# KiCad board 100p-keebored.kicad_pcb (continued)
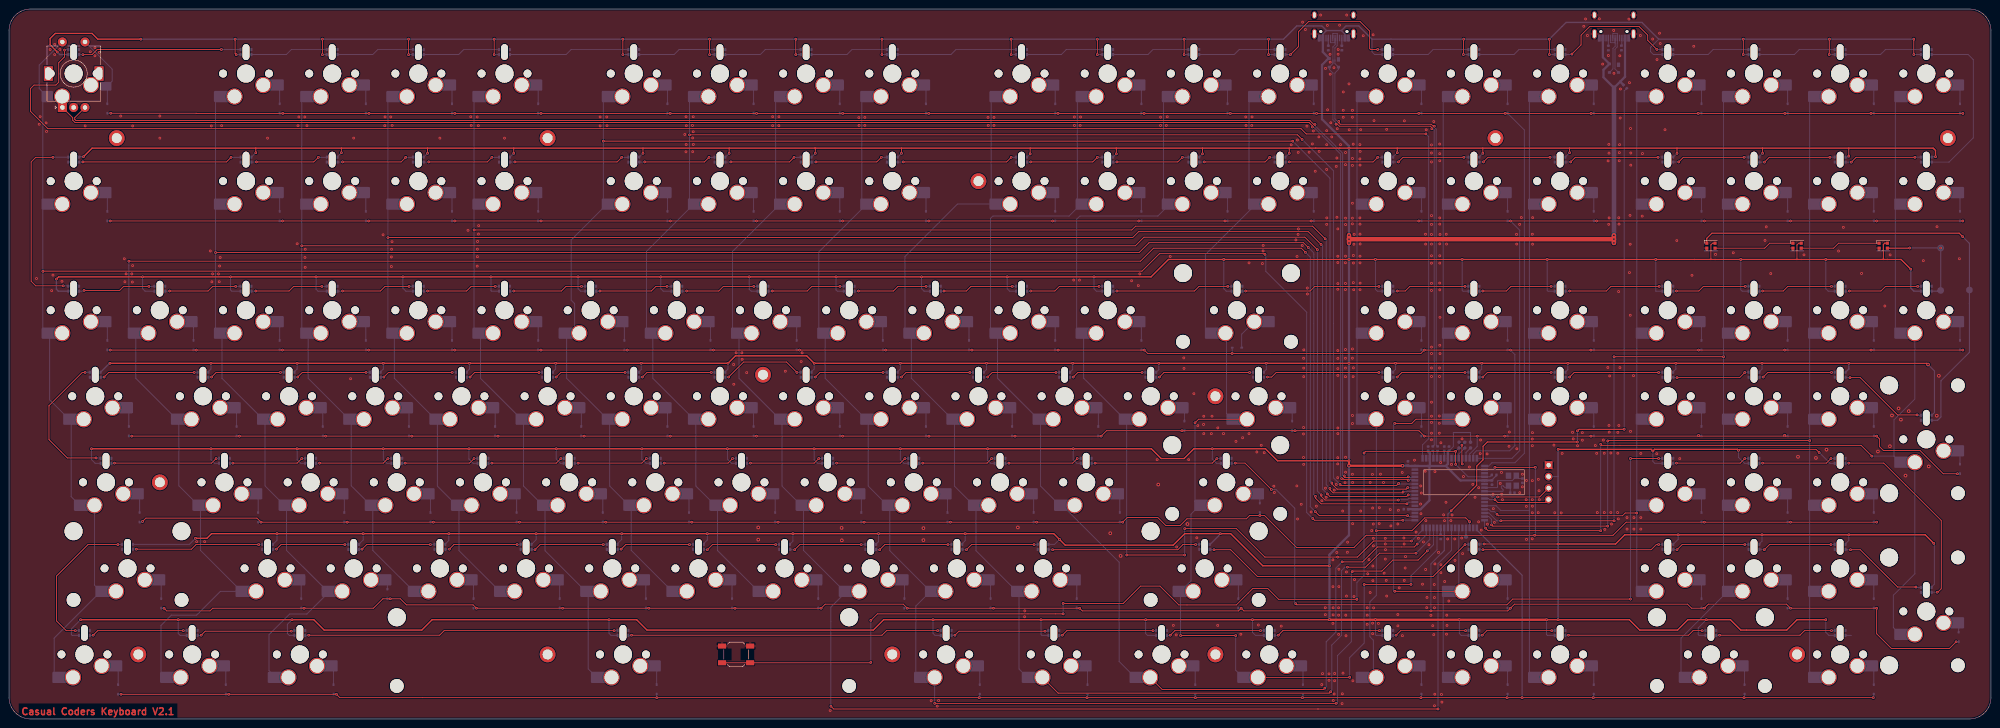
[diagram p0: board, top side]
## Routing (per net, layer and track width the routed paths; a pad name or vN(x,y) marks a point on that pad's centre or on a via; arc(x,y) is an arc through that point) (continued)
/LEDs/LED_BK: length 104
  Top w0.25: U4.1 375.32,106.4 376.47,107.54 431.13,107.54 v1(431.91,106.76)
  Bottom w0.25: 424.97,66.13 426.36,66.13 427.09,66.85 427.09,74.85 433.39,81.15 433.39,105.28 v1(431.91,106.76)
/LEDs/LED_BR: length 23
  Top w0.25: U2.3 420.14,104.22 v1(420.18,104.27) ; v1(427.04,104.27) 427,104.22
  Bottom w0.25: v1(420.18,104.27) v1(427.04,104.27) 427.04,95.43 426.31,94.7 D262.2
/xtal+: length 9.1
  Bottom w0.2: C2.2 331.87,51.29 Y1.3 331.1,51.25 arc(330.88,51.17) 330.67,51.25 330.39,51.54 arc(330.18,51.63) 329.96,51.54 arc(329.88,51.33) 329.96,51.11 330.25,50.83 arc(330.33,50.62) 330.25,50.41 U1.24 ; 331.4,51.85 331.4,51.75
/xtal-: length 10.6
  Bottom w0.2: C1.2 333.82,53.24 Y1.1 333.2,53.66 332.3,52.76 329.17,52.76 329.07,52.65 329.07,51.33 328.94,51.21 U1.23
A+: length 11.1
  Bottom w0.189: J3.A6 354.56,151.7 354.61,151.76 355.5,151.76 355.56,151.7 J3.B6 355.56,149.65 355.53,149.62 355.53,148.75 355.03,148.25 355.03,143.91 D130.2
A-: length 11.1
  Bottom w0.189: D130.3 354.59,143.91 354.59,148.43 355.09,148.93 355.09,149.62 355.06,149.65 J3.A7 355.06,149.77 355,149.72 354.11,149.72 354.06,149.77 J3.B7
Col1: length 515.5
  Top w0.2: v1(308.14,43.99) 288.61,43.99 v1(288.23,44.37) ; v1(277.66,102.84) 277.51,103 254.32,103 250.46,99.14 7.53,99.14 v1(7.48,99.09)
  Bottom w0.2: SW117.2 11.05,9.21 9.97,10.29 9.97,17.91 20.32,28.26 SW100.2 20.26,28.26 18.89,29.63 SW84.2 ; SW84.2 15.65,47.31 13.73,49.22 SW63.2 13.27,66.36 8.97,70.66 SW42.2 8.21,85.41 7.48,86.14 7.48,99.08 v1(7.48,99.09) 7.48,113.96 7.5,113.98 SW22.2 7.76,113.98 7.48,114.26 7.48,136.83 SW1.2 6.67,139.57 6.67,144.75 SW130.S2 ; U1.49 308.15,44.01 v1(308.14,43.99) ; v1(277.66,102.84) 277.84,102.67 277.84,99.09 286.88,90.04 286.88,45.72 v1(288.23,44.37)
Col2: length 461.2
  Top w0.2: v1(288.79,45.9) 289.67,45.01 v1(309.18,45.01) ; v1(286.6,103.3) 285.69,104.22 253.02,104.22 250.15,101.35 v1(26.49,101.35)
  Bottom w0.2: v1(26.49,101.35) 26.49,86.32 27.4,85.41 SW43.2 28.02,75.42 37.08,66.36 SW64.2 37.54,51.61 41.84,47.31 SW85.2 42.3,37.32 51.37,28.26 SW101.2 46.74,28.26 41.47,22.99 35.88,22.99 33.59,20.7 33.59,10.03 34.42,9.21 SW118.2 ; v1(309.18,45.01) 309.38,44.81 U1.50 ; v1(288.79,45.9) 287.67,47.02 287.67,102.23 v1(286.6,103.3)
Col3: length 472.8
  Top w0.2: v1(45.66,103.25) 249.85,103.25 252.03,105.44 286.17,105.44 v1(287.24,104.37) ; v1(288.81,49.3) 288.81,48.88 290.07,47.62 v1(309.05,47.62)
  Bottom w0.2: v1(287.24,104.37) 288.46,103.15 288.46,49.66 v1(288.81,49.3) ; v1(309.05,47.62) 309.44,48.01 U1.54 ; SW119.2 57.47,10.71 57.47,18.67 62.03,23.23 65.86,23.23 SW102.2 70.42,28.26 61.35,37.32 SW86.2 60.89,47.31 56.59,51.61 SW65.2 56.13,66.36 47.07,75.42 SW44.2 46.74,85.41 45.66,86.49 v1(45.66,103.25) 45.66,112.99 46.65,113.98 SW23.2 46.61,113.98 45.66,114.93 45.66,136.91 46.55,137.79 SW3.2
Col4: length 425.8
  Top w0.2: v1(64.71,104.75) 249,104.75 250.9,106.65 286.47,106.65 v1(289.24,103.89) 289.14,103.99 ; v1(290.08,49.61) 290.08,49.32 290.93,48.46 v1(307.15,48.46)
  Bottom w0.2: SW24.2 65.79,113.98 ; 65.79,113.98 64.71,115.06 64.71,136.78 65.72,137.79 SW4.2 ; 65.79,113.98 64.71,112.9 v1(64.71,104.75) 64.71,86.49 65.79,85.41 SW45.2 66.12,75.42 75.18,66.36 SW66.2 75.64,51.61 79.95,47.31 SW87.2 80.41,37.32 89.47,28.26 SW103.2 ; v1(290.08,49.61) 289.24,50.44 v1(289.24,103.89) ; v1(307.15,48.46) 307.23,48.54 309.18,48.54 309.45,48.81 U1.55
Col5: length 407.4
  Top w0.2: v1(291.43,49.83) 292.01,49.25 308.98,49.25 v1(309.33,49.61) ; v1(83.76,106.58) 248.4,106.58 249.69,107.87 287.24,107.87 v1(290.06,105.05) 289.9,105.21
  Bottom w0.2: SW5.2 84.65,137.79 83.76,136.9 83.76,115.04 84.81,113.98 SW25.2 84.71,113.98 83.76,113.03 v1(83.76,106.58) 83.76,86.34 84.68,85.41 SW46.2 85.17,75.42 94.23,66.36 94.69,66.36 94.69,51.55 98.93,47.31 SW88.2 99.46,37.28 108.48,28.26 SW104.2 ; U1.56 v1(309.33,49.61) ; v1(290.06,105.05) 290.39,104.72 290.39,50.88 v1(291.43,49.83)
Col6: length 408.9
  Top w0.2: v1(308.19,50.24) 308.01,50.06 292.72,50.06 292.01,50.77 v1(292.01,51.03) ; 290.84,106.43 v1(290.97,106.3) 288.18,109.09 249.06,109.09 248.22,108.25 v1(102.81,108.25)
  Bottom w0.2: v1(292.01,51.03) 291.2,51.84 291.2,106.07 v1(290.97,106.3) ; SW120.2 129.92,9.21 128.03,11.1 SW105.2 127.48,28.26 118.5,37.23 SW89.2 117.98,47.31 113.74,51.55 SW68.2 113.28,66.36 104.22,75.42 SW47.2 103.76,85.41 102.81,86.36 v1(102.81,108.25) 102.81,113.03 103.76,113.98 SW26.2 103.86,113.98 102.81,115.04 102.81,136.65 103.95,137.79 SW6.2 ; v1(308.19,50.24) 308.36,50.41 U1.57
Col7: length 378.7
  Top w0.2: v1(309.21,51.23) 308.85,50.88 293.6,50.88 292.44,52.03 v1(292.44,52.25) ; v1(283.81,127.91) v1(131.38,127.91)
  Bottom w0.2: v1(283.81,127.91) 292.01,119.71 292.01,52.68 v1(292.44,52.25) ; v1(309.21,51.23) 309.23,51.21 U1.58 ; SW7.2 132.27,137.79 131.38,136.91 v1(131.38,127.91) 131.38,115.06 132.46,113.98 SW27.2 132.21,113.98 124.27,106.04 124.27,92.71 125.03,91.95 125.03,85.41 SW48.2 123.27,75.42 132.33,66.36 SW69.2 132.79,51.55 137.03,47.31 SW90.2 137.56,37.31 146.61,28.26 SW106.2
Col8: length 360.1
  Top w0.2: v1(307.2,52.15) 306.75,51.7 294.49,51.7 v1(294.25,51.94) ; v1(150.43,129.31) 284.85,129.31 v1(285.86,128.3)
  Bottom w0.2: U1.59 307.34,52.01 v1(307.2,52.15) ; v1(285.86,128.3) 292.82,121.34 292.82,53.37 v1(294.25,51.94) ; SW8.2 151.45,137.79 150.43,136.77 v1(150.43,129.31) 150.43,114.81 151.26,113.98 SW28.2 151.38,113.98 140.91,103.5 140.91,86.59 142.09,85.41 SW49.2 142.32,75.42 151.38,66.36 SW70.2 151.84,51.55 156.08,47.31 SW91.2 156.61,37.31 165.66,28.26 SW107.2
Col9: length 330.5
  Top w0.2: 289.34,2.21 v1(315.91,2.21) ; 289.34,2.21 182.31,2.21 v1(181.7,2.82) ; 289.34,2.21 289.45,2.21
  Bottom w0.2: v1(181.7,2.82) 181.67,2.84 181.67,24.75 SW108.2 184.68,28.26 175.66,37.28 SW92.2 175.13,47.31 170.89,51.55 SW71.2 170.43,66.36 161.37,75.42 SW50.2 160.91,85.41 159.96,86.36 159.96,103.5 170.43,113.98 SW29.2 170.31,113.98 169.48,114.81 169.48,136.78 170.5,137.79 SW9.2 ; U1.40 318.89,37.35 315.91,34.37 v1(315.91,2.21)
Col10: length 301
  Top w0.2: v1(293.41,3.45) v1(204.64,3.45) ; v1(313.55,37.21) 311.52,35.18 305.93,35.18 303.49,32.74 297.07,32.74 v1(296.92,32.59)
  Bottom w0.2: SW10.2 189.49,137.79 188.53,136.84 188.53,114.81 189.36,113.98 SW30.2 189.61,113.98 179.01,103.38 179.01,86.36 179.96,85.41 SW51.2 180.42,75.42 189.48,66.36 SW72.2 189.94,51.55 194.18,47.31 SW93.2 194.71,37.26 203.71,28.26 ; v1(293.41,3.45) 293.69,3.73 293.69,14.05 296.74,17.09 296.74,32.4 v1(296.92,32.59) ; 203.71,28.26 200.47,25.02 200.47,10.03 201.29,9.21 SW121.2 204.63,3.46 v1(204.64,3.45) ; 203.71,28.26 SW109.2 ; v1(313.55,37.21) 314.89,38.55 U1.45
Col11: length 274.7
  Top w0.2: v1(311.06,36.7) 302.98,36.7 299.89,33.6 v1(295.87,33.6) ; v1(292.16,6.02) 291.86,5.71 231.93,5.71 SW122.2
  Bottom w0.2: v1(292.16,6.02) 292.42,6.27 292.42,16.35 294.59,18.52 294.59,32.88 295.31,33.6 v1(295.87,33.6) ; 218.06,113.98 209.68,113.98 198.06,102.36 198.06,86.23 198.88,85.41 SW52.2 199.47,75.42 208.53,66.36 SW73.2 208.99,51.55 213.23,47.31 SW94.2 213.76,37.26 222.76,28.26 SW110.2 223.28,11.06 225.13,9.21 SW122.2 ; 218.06,113.98 217.11,114.93 217.11,137.16 217.74,137.79 SW11.2 ; 218.06,113.98 SW31.2 ; U1.46 314.09,39.73 v1(311.06,36.7)
Col12: length 255.7
  Top w0.2: v1(290.89,6.83) 290.59,6.53 254.93,6.53 SW123.2 ; v1(294.7,34.77) 299.22,34.77 302.53,38.07 310.65,38.07 v1(311.32,38.73)
  Bottom w0.2: U1.47 313.29,40.71 v1(311.32,38.73) ; v1(294.7,34.77) 293.32,33.39 293.32,19.22 291.2,17.09 291.2,7.14 v1(290.89,6.83) ; SW123.2 248.92,9.21 245.42,12.71 245.42,34.7 SW95.2 232.28,47.31 228.04,51.55 SW74.2 227.58,66.36 218.52,75.42 SW53.2 217.84,85.41 216.98,86.27 216.98,110.82 217.49,111.33 234.35,111.33 237.01,113.98 SW32.2 237.21,113.98 236.16,115.04 236.16,136.78 237.17,137.79 SW12.2
Col13: length 204
  Top w0.2: v1(310.05,39.4) 301.66,39.4 298.11,35.84 v1(293.74,35.84) 277.63,35.84 271.34,42.14 v1(259.91,42.14) ; v1(247.1,36.3) v1(259.91,36.3)
  Bottom w0.2: SW33.2 256.39,113.98 255.21,115.16 255.21,136.71 256.29,137.79 SW13.2 ; SW33.2 256.16,113.98 ; SW33.2 253.96,111.33 236.72,111.33 236.03,110.64 236.03,86.49 237.11,85.41 SW54.2 237.57,75.42 246.63,66.36 SW75.2 247.09,36.31 v1(247.1,36.3) ; 293.74,35.89 v1(293.74,35.84) ; v1(310.05,39.4) 312.49,41.84 U1.48 ; v1(259.91,36.3) v1(259.91,42.14)
Col14: length 235.6
  Top w0.2: v1(259,18.47) 271.19,18.47 v1(271.19,18.46) ; v1(296.38,9.22) 296.37,9.21 SW124.2 ; v1(262.19,65.56) 262.99,66.36 SW76.2 ; v1(299.58,29.77) 299.61,29.79 v1(309.94,29.79)
  Bottom w0.2: v1(296.38,9.22) 296.38,13.59 299.58,16.79 v1(299.58,29.77) ; v1(309.94,29.79) 309.94,31.7 315.69,37.45 U1.44 ; SW76.2 270.38,66.36 269.14,67.6 269.14,84.77 268.5,85.41 SW55.2 265.3,85.41 264.48,86.23 264.48,102.79 SW34.2 275.08,113.98 274.13,114.93 274.13,136.72 275.21,137.79 SW14.2 ; 259,18.46 v1(259,18.47) SW111.2 261.3,30.56 261.3,45.34 263.27,47.31 SW96.2 263.14,47.31 262.19,48.26 v1(262.19,65.56) ; 272.8,9.21 SW124.2 272.76,9.21 271.19,10.78 v1(271.19,18.46)
Col15: length 158.1
  Top w0.2: v1(302.26,41.68) 310.15,41.68 312.98,44.52 322.04,44.52 v1(322.9,43.66)
  Bottom w0.2: 299.08,85.41 SW56.2 ; 299.08,85.41 298.01,84.33 298.01,67.44 299.08,66.36 SW77.2 ; 299.08,85.41 298.01,86.49 298.01,112.9 299.08,113.98 SW35.2 298.96,113.98 298.01,114.93 298.01,136.91 298.89,137.79 SW15.2 ; U1.35 322.89,43.66 v1(322.9,43.66) ; SW77.2 v1(302.26,41.68) 302.26,27.34 300.85,25.93 300.85,18.21 301.61,17.45 301.61,9.86 SW125.2
Col16: length 179.4
  Top w0.2: SW112.2 306.35,28.26 v1(306.34,28.27) ; v1(306.34,65.43) 310.1,65.43 311.02,66.36 SW78.2
  Bottom w0.2: SW126.2 318.13,9.21 317.06,10.29 317.06,27.43 317.88,28.26 SW112.2 ; SW112.2 320.49,29.08 U1.38 ; v1(306.34,65.43) 306.11,65.2 306.11,28.5 v1(306.34,28.27) ; SW16.2 318.2,137.79 317.06,136.65 317.06,115.06 318.13,113.98 SW36.2 318.14,113.98 317.06,112.9 317.06,86.3 317.95,85.41 SW57.2 318.13,85.41 317.06,84.33 317.06,67.56 318.26,66.36 SW78.2
Col17: length 144.9
  Bottom w0.2: 336.11,46.15 336.11,65.28 337.19,66.36 ; 336.11,46.15 329.81,46.15 328.75,47.21 U1.28 ; 336.11,46.15 336.11,10.41 337.31,9.21 SW127.2 ; 337.19,85.41 336.11,84.33 336.11,67.44 337.19,66.36 ; 337.19,85.41 SW58.2 ; 337.19,85.41 336.11,86.49 336.11,113.02 337.06,113.98 SW37.2 337.06,113.98 336.11,114.93 336.11,136.65 337.25,137.79 SW17.2 ; 337.19,66.36 SW79.2
Col18: length 153.4
  Top w0.2: v1(328.94,45.34) 329.3,44.98 356.68,44.98 357.29,45.59 v1(359.85,45.59)
  Bottom w0.2: SW18.2 361,137.79 359.85,136.65 359.85,114.93 360.81,113.98 SW38.2 361.04,113.98 359.85,112.8 359.85,86.36 360.81,85.41 SW59.2 360.93,85.41 359.85,84.33 359.85,67.44 360.93,66.36 SW80.2 360.81,66.36 359.85,65.41 359.85,48.26 360.81,47.31 SW97.2 360.93,47.31 359.85,46.23 v1(359.85,45.59) 359.85,29.21 360.81,28.26 SW113.2 ; U1.29 327.14,46.41 327.65,45.9 328.38,45.9 v1(328.94,45.34)
Col19: length 235
  Top w0.2: v1(329.78,43.87) 329.79,43.87 v1(354.85,43.87) ; v1(354.83,80.19) v1(379.03,80.19)
  Bottom w0.2: SW19.2 379.67,137.79 379.03,137.16 379.03,114.93 379.98,113.98 SW39.2 380.11,113.98 379.03,112.9 379.03,86.49 380.11,85.41 SW60.2 380.24,85.41 379.03,84.2 v1(379.03,80.19) 379.03,67.18 379.86,66.36 SW81.2 379.98,66.36 379.03,65.41 379.03,48.51 380.24,47.31 SW98.2 380.11,47.31 379.03,46.23 379.03,29.08 379.86,28.26 SW114.2 379.98,28.26 369.63,17.91 369.63,10.29 370.71,9.21 SW128.2 ; v1(329.78,43.87) 328.88,43.87 327.14,45.61 U1.30 ; v1(354.85,43.87) 354.83,43.89 v1(354.83,80.19)
Col20: length 230.2
  Top w0.2: v1(327.75,42.98) 328.03,42.7 v1(353.43,42.7) ; v1(398.08,61.62) 398.03,61.67 353.56,61.67 v1(353.43,61.54)
  Bottom w0.2: 399.16,85.41 398.08,84.33 398.08,67.18 398.91,66.36 SW82.2 399.16,66.36 398.08,65.28 v1(398.08,61.62) 398.08,48.39 399.16,47.31 SW99.2 399.26,47.31 398.08,46.13 398.08,29.31 399.14,28.26 SW115.2 399.16,28.26 398.08,27.18 398.08,10.16 399.03,9.21 SW129.2 ; 399.16,85.41 SW61.2 ; 399.16,85.41 398.08,86.49 398.08,112.86 399.2,113.98 SW40.2 399.16,113.98 398.08,115.06 398.08,136.78 399.1,137.79 SW20.2 ; v1(353.43,42.7) v1(353.43,61.54) ; v1(327.75,42.98) 327.75,44.2 327.14,44.81 U1.31
Col21: length 241.4
  Top w0.2: v1(351.88,41.68) 326.99,41.68 v1(326.43,42.24) ; v1(411.82,58.19) 409.44,60.58 352.08,60.58 v1(351.88,60.78)
  Bottom w0.2: 421.32,56.83 421.32,32.14 416.57,27.38 416.57,20.22 418.06,18.73 SW116.2 ; 416.72,58.2 416.71,58.19 v1(411.82,58.19) ; 416.72,58.2 416.72,66.23 421.32,70.83 421.32,85.41 ; 416.72,58.2 418.08,56.83 SW83.2 ; v1(326.43,42.24) 326.19,42.48 U1.32 ; SW21.2 418.02,137.79 417,136.78 417,115.06 418.08,113.98 SW41.2 417.96,113.98 417,113.03 417,86.49 418.08,85.41 SW62.2 ; v1(351.88,60.78) v1(351.88,41.68)
D+: length 116.1
  Top w0.189: v1(293.96,132.27) 293.96,131.98 294.28,131.66 314.4,131.66 314.85,131.22 v1(315.1,131.22)
  Bottom w0.189: 293.11,145.61 293.11,148.56 293.61,149.06 293.61,149.62 293.64,149.65 J2.B6 293.64,151.7 293.59,151.76 292.7,151.76 292.64,151.7 J2.A6 ; v1(293.96,132.27) 293.67,132.27 293.11,132.83 293.11,143 293.89,143.78 D200.2 293.11,145.09 293.11,145.89 ; v1(315.1,131.22) 315.1,130.96 315.51,130.56 315.51,60.64 R4.1
  Bottom w0.2: 293.89,144.36 D200.2
D-: length 116.5
  Top w0.189: v1(293.35,131.67) 293.64,131.67 294.09,131.23 314.22,131.23 314.54,130.91 v1(314.54,130.65)
  Bottom w0.189: v1(314.54,130.65) 314.79,130.65 315.07,130.37 315.07,60.64 R5.1 ; 292.67,145.89 292.67,145.09 D200.3 291.89,143.78 292.67,143 292.67,132.64 293.35,131.96 v1(293.35,131.67) ; J2.A7 293.14,149.65 293.17,149.62 293.17,149.26 292.67,148.76 292.67,148.75 292.67,145.17
  Bottom w0.2: 291.89,144.36 D200.3 ; J2.A7 293.14,149.76 293.09,149.71 292.19,149.71 292.14,149.76 J2.B7
enc+: length 375
  Top w0.189: v1(288.71,131.6) 288.46,131.6 287.58,132.48 287.58,132.48
  Top w0.2: v1(309.33,53.61) 309.16,53.43 295.31,53.43 295.21,53.54 v1(295.21,53.82) ; SW130.B 14.51,133.1 14.51,132.76 14.79,132.48 287.58,132.48
  Bottom w0.189: 290.74,129.33 290.73,129.33 288.71,131.35 v1(288.71,131.6) ; U1.61 310.61,53.43 309.51,53.43 v1(309.33,53.61)
  Bottom w0.2: 290.74,129.33 294.83,125.24 294.83,53.92 294.92,53.82 v1(295.21,53.82)
enc-: length 375.8
  Top w0.189: v1(288.15,131.04) 288.15,131.29 287.4,132.03 287.4,132.03
  Top w0.2: v1(309.33,52.81) 309.16,52.98 295.13,52.98 294.89,53.22 v1(294.61,53.22) ; SW130.A 14.06,133.1 14.06,132.57 14.6,132.03 287.4,132.03
  Bottom w0.189: v1(288.15,131.04) 288.4,131.04 290.42,129.02 290.42,129.01 ; U1.60 310.61,52.99 309.51,52.99 v1(309.33,52.81)
  Bottom w0.2: 290.42,129.01 294.38,125.05 294.38,53.73 294.61,53.5 v1(294.61,53.22)
extraUSBSense: length 3653.8
  Top w0.2: v1(107.25,147.07) v1(107.25,150.5) ; v1(240.6,147.07) v1(240.6,150.5) ; v1(259.78,147.07) v1(259.78,150.5) ; 415.25,101.78 415.2,101.73 ; v1(244.79,125.09) 244.79,126.36 ; v1(382.33,59.46) 382.56,59.69 399.48,59.69 v1(400.16,59) ; v1(306.9,125.35) 306.9,126.36 ; v1(154.88,147.07) v1(154.88,150.5) ; v1(342.46,38.73) v1(326.1,38.73) ; v1(140.14,125.22) 140.14,126.36 ; v1(49.97,150.5) 49.97,147.32 v1(50.23,147.07) ; v1(340.53,147.09) v1(340.53,150.5) ; v1(283.02,125.22) 283.02,126.36 ; v1(421.09,147.09) v1(421.09,150.5) ; v1(69.28,147.07) v1(69.28,150.5) ; v1(54.55,125.35) 54.55,126.36 ; v1(111.57,125.22) 111.57,126.36 ; v1(88.33,147.07) v1(88.33,150.5) ; v1(159.19,125.22) 159.19,126.36 ; v1(345,125.35) 345,126.36 ; v1(192.98,147.07) v1(192.98,150.5) ; U4.4 376.6,105.32 376.24,104.96 376.24,101.73 ; v1(278.45,147.07) v1(278.45,150.5) ; U3.4 395.65,105.32 395.26,104.93 395.26,101.73 ; v1(387.67,125.22) 387.67,126.36 ; v1(368.74,125.22) 368.74,126.36 ; v1(263.84,125.09) 263.84,126.36 ; v1(321.53,147.09) 321.53,150.44 v1(321.58,150.5) ; v1(73.47,125.35) 73.47,126.36 ; v1(173.93,147.07) v1(173.93,150.5) ; v1(197.29,125.22) 197.29,126.36 ; v1(135.7,147.07) v1(135.7,150.5) ; v1(406.72,124.59) 406.72,126.36 ; v1(402.45,150.5) 402.4,150.44 v1(402.4,147.09) ; v1(325.82,125.22) 325.82,126.36 ; v1(225.74,125.09) 225.74,126.36 ; v1(178.24,125.22) 178.24,126.36 ; v1(221.55,147.07) v1(221.55,150.5) ; v1(92.52,125.22) 92.52,126.36 ; v1(383.4,147.09) v1(383.4,150.5)
  Top w0.25: v2(424.24,78.46) 423.96,78.74 v1(406.72,78.74) ; U2.4 414.65,105.32 414.36,105.04 414.36,101.73 414.34,101.75
  Top w0.3: v1(342.46,59.69) 363.03,59.69 v1(363.41,59.31) 363.79,59.69 382.1,59.69 v1(382.33,59.46) ; v1(29.15,150.5) 19.62,150.5 18.35,151.76 10.22,151.76 9.08,150.62 9.08,149.22 v1(10.67,147.64) ; v1(15.81,21.97) v1(37.4,21.97) v1(62.55,21.97) 67.37,21.97 69.66,19.69 91.25,19.69 93.54,21.97 v1(132.65,21.97) 138.75,21.97 141.03,19.69 191.07,19.69 193.36,21.97 v1(204.28,21.97) v1(228.16,21.97) v1(251.27,21.97) v1(274.89,21.97) v1(291.91,21.97) ; v1(401.64,21.97) 395.29,21.97 393,19.69 382.84,19.69 380.56,21.97 v1(375.22,21.97) 371.16,21.97 368.87,19.69 360.49,19.69 358.2,21.97 v1(339.92,21.97) ; v1(425.51,38.86) 423.61,40.77 v1(406.72,40.77) v1(387.54,40.77) v1(369,40.77) 357.19,40.77 355.16,38.73 v1(342.46,38.73) ; v1(22.29,78.74) v1(44.64,78.74) v1(63.69,78.74) v1(82.74,78.74) v1(101.79,78.74) v1(120.84,78.74) v1(139.76,78.74) v1(158.94,78.74) 160.59,80.39 176.34,80.39 v1(177.99,78.74) v1(197.04,78.74) v1(216.09,78.74) v1(235.14,78.74) v1(254.19,78.74) v1(277.94,78.74) v1(306.51,78.74) v1(325.56,78.74) v1(344.61,78.74) v1(368.49,78.74) v1(387.54,78.74) v1(406.72,78.74) ; v1(18.22,59.82) v1(44.64,59.82) v1(63.69,59.82) v1(82.74,59.82) v1(101.66,59.82) v1(120.97,59.82) v1(139.89,59.82) v1(158.81,59.82) v1(177.99,59.82) v1(197.04,59.82) v1(216.34,59.82) v1(235.27,59.82) 252.54,59.82 254.7,57.66 259.78,57.66 261.94,59.82 v1(266,59.82) 277.76,59.82 280.43,57.15 v1(296.23,57.15) ; v1(420.43,99.57) 418.27,101.73 v1(401.64,101.73) v1(382.84,101.73) v1(364.05,101.73) v1(340.04,101.73) v1(321.25,101.73) v1(302.07,101.73) v1(268.54,101.73) 256.32,101.73 252.46,97.87 v1(239.86,97.87) v1(220.66,97.87) v1(201.74,97.87) v1(182.84,97.87) v1(163.64,97.87) v1(144.08,97.87) v1(125.79,97.87) v1(106.54,97.87) v1(87.08,97.87) v1(67.88,97.87) v1(48.98,97.87) v1(29.53,97.87) 10.96,97.87 v1(10.48,97.38) ; v1(291.91,33.91) 277.18,33.91 270.07,41.02 v1(267.78,41.02) 259.91,41.02 257.37,38.48 233.49,38.48 v1(232.22,39.75) 230.95,41.02 v1(211.39,41.02) v1(192.21,41.02) v1(173.29,41.02) v1(154.37,41.02) v1(135.45,41.02) v1(116.52,41.02) v1(97.22,41.02) v1(78.3,41.02) v1(59.25,41.02) 44.77,41.02 43.75,40 v1(41.21,40) ; v1(16.45,124.46) 18.35,126.36 425.39,126.36 425.89,125.86 v1(425.89,124.46)
  Top w0.5: v1(296.23,57.15) 296.23,56.11 296.28,56.06 v2(308.06,56.06) ; v1(291.91,21.97) v1(302.07,21.97) v1(320.61,21.97) v1(339.92,21.97)
  Top w1: v2(296.23,105.36) v2(296.23,106.22) ; v2(296.23,106.22) v2(296.23,107.09) ; v2(296.23,106.22) v2(354.8,106.22) ; v2(354.8,105.38) v2(354.8,107.06)
  Bottom w0.2: v1(387.54,78.74) 387.54,77.47 386.95,76.88 D265.1 ; 301.31,150.5 301.31,147.7 301.92,147.09 303.69,147.09 ; v1(139.89,59.82) 139.89,57.53 140.82,56.6 D290.1 ; D299.1 402.57,56.6 v1(400.16,59) ; v1(302.07,21.97) 302.07,18.67 302.24,18.5 D325.1 ; v1(204.28,21.97) 204.28,18.92 204.7,18.5 D321.1 ; 365.6,147.09 363.54,147.09 362.88,147.75 362.88,148.67 364.71,150.5 ; 279.87,147.09 278.47,147.09 v1(278.45,147.07) ; D287.1 83.54,56.6 82.74,57.4 v1(82.74,59.82) ; D255.1 269.09,94.7 268.54,95.25 v1(268.54,101.73) ; v1(44.64,59.82) 44.64,57.4 45.44,56.6 D285.1 ; v1(192.21,41.02) 192.21,39.24 191.69,38.72 D308.1 ; v1(382.33,59.46) 382.33,57.91 383.65,56.6 D298.1 ; v1(178.24,125.22) 177.4,124.38 177.32,124.38 ; D253.1 221.21,94.7 220.66,95.25 v1(220.66,97.87) ; D279.1 101.2,76.88 101.79,77.47 v1(101.79,78.74) ; D300.1 425.05,29.25 425.64,29.84 425.64,38.73 v1(425.51,38.86) ; v1(116.52,41.02) 116.52,39.69 D312.1 ; D306.1 231.12,38.65 v1(232.22,39.75) ; v1(78.3,41.02) 78.3,39.62 77.39,38.72 D314.1 ; 386.87,124.43 v1(387.67,125.22) ; D302.1 386.95,38.78 387.54,39.37 v1(387.54,40.77) ; v1(125.79,97.87) 125.79,95.25 126.34,94.7 D248.1 ; v1(135.7,147.07) 135.72,147.09 137,147.09 ; D267.1 344.09,76.82 344.61,77.34 v1(344.61,78.74) ; v1(421.09,147.09) 421.1,147.09 422.75,147.09 ; D266.1 367.9,76.88 368.49,77.47 v1(368.49,78.74) ; D278.1 120.25,76.88 120.84,77.47 v1(120.84,78.74) ; v1(163.64,97.87) 163.64,95.12 164.06,94.7 D250.1 ; D268.1 325.04,76.94 325.56,77.47 v1(325.56,78.74) ; v1(321.53,147.09) 321.53,147.09 322.74,147.09 ; v1(63.69,59.82) 63.69,57.4 64.49,56.6 D286.1 ; v1(158.94,78.74) 158.94,77.47 158.35,76.88 D276.1 ; v1(211.39,41.02) 211.39,39.5 210.74,38.84 D307.1 ; D282.1 44.05,76.88 44.64,77.47 v1(44.64,78.74) ; 139.22,124.38 139.3,124.38 v1(140.14,125.22) ; D249.1 144.63,94.7 144.08,95.25 v1(144.08,97.87) ; v1(239.86,97.87) 239.84,97.84 239.84,95.25 240.39,94.7 D254.1 ; D272.1 234.55,76.75 235.14,77.34 v1(235.14,78.74) ; D246.1 87.74,94.7 87.06,95.38 87.06,97.84 v1(87.08,97.87) ; J1.2 323.1,63.42 319.29,63.42 319.29,60.3 C6.1 ; D309.1 172.64,38.72 173.29,39.37 v1(173.29,41.02) ; v1(67.88,97.87) 67.88,95.12 68.3,94.7 D245.1 ; D328.1 373.61,18.5 373.44,18.67 373.44,20.19 v1(375.22,21.97) ; 222.72,147.09 221.57,147.09 v1(221.55,147.07) ; v1(132.65,21.97) 132.65,18.92 133.07,18.5 D320.1 ; D259.1 364.09,94.7 364.05,94.74 v1(364.05,101.73) ; D311.1 134.54,38.84 135.45,39.75 v1(135.45,41.02) ; D310.1 153.59,38.84 154.37,39.62 v1(154.37,41.02) ; 341.79,147.09 340.53,147.09 v1(340.53,147.09) ; D301.1 406,38.78 406.72,39.5 v1(406.72,40.77) ; D322.1 228.32,18.5 228.16,18.67 v1(228.16,21.97) ; D258.1 340.21,94.7 340.04,94.87 v1(340.04,101.73) ; v1(325.82,125.22) 324.97,124.38 324.96,124.38 ; D329.1 402.31,18.5 401.64,19.18 v1(401.64,21.97) ; v1(139.76,78.74) 139.76,77.34 139.3,76.88 D277.1 ; D317.1 13.95,18.5 13.78,18.67 13.78,19.94 v1(15.81,21.97) ; v1(192.98,147.07) 193,147.09 194.15,147.09 ; D293.1 197.84,56.6 197.04,57.4 v1(197.04,59.82) ; 72.55,124.43 v1(73.47,125.35) ; 196.37,124.38 196.45,124.38 v1(197.29,125.22) ; v1(368.74,125.22) 367.9,124.38 367.82,124.38 ; v1(274.89,21.97) 274.89,19.18 275.57,18.5 D324.1 ; v1(182.84,97.87) 182.82,97.84 182.82,95 183.11,94.7 D251.1 ; v1(235.27,59.82) 235.27,57.4 236.07,56.6 D295.1 ; 53.5,124.38 53.57,124.38 v1(54.55,125.35) ; D271.1 253.6,76.75 254.19,77.34 v1(254.19,78.74) ; D313.1 96.44,38.72 97.22,39.5 v1(97.22,41.02) ; D326.1 321.03,18.5 320.61,18.92 v1(320.61,21.97) ; 110.65,124.38 110.72,124.38 v1(111.57,125.22) ; D273.1 215.5,76.75 216.09,77.34 v1(216.09,78.74) ; 342.46,53.72 342.39,53.66 J4.2 ; v1(120.97,59.82) 120.97,57.53 121.9,56.6 D289.1 ; 384.65,147.09 383.4,147.09 v1(383.4,147.09) ; 282.1,124.38 282.17,124.38 v1(283.02,125.22) ; v1(159.19,125.22) 158.35,124.38 158.27,124.38 ; 305.91,124.38 305.92,124.38 v1(306.9,125.35) ; v1(363.41,59.31) 363.41,57.02 363.83,56.6 D297.1 ; D291.1 159.74,56.6 158.81,57.53 v1(158.81,59.82) ; v1(321.25,101.73) 321.25,94.87 321.42,94.7 D257.1 ; v1(82.74,78.74) 82.74,77.47 82.15,76.88 D280.1 ; D323.1 251.69,18.5 251.27,18.92 v1(251.27,21.97) ; v1(37.4,21.97) 37.4,18.92 37.82,18.5 D318.1 ; 91.6,124.38 91.67,124.38 v1(92.52,125.22) ; 225.02,124.38 v1(225.74,125.09) ; 156.05,147.09 154.9,147.09 v1(154.88,147.07) ; 403.7,147.09 402.4,147.09 v1(402.4,147.09) ; v1(69.28,147.07) 69.3,147.09 70.32,147.09 ; v1(50.23,147.07) 50.25,147.09 51.27,147.09 ; D274.1 196.45,76.88 197.04,77.47 v1(197.04,78.74) ; v1(201.74,97.87) 201.74,95.25 202.29,94.7 D252.1 ; 344.02,124.38 v1(345,125.35) ; v1(18.22,59.82) 18.22,57.4 19.03,56.6 D284.1 ; 175.1,147.09 173.95,147.09 v1(173.93,147.07) ; D294.1 217.02,56.6 216.34,57.28 v1(216.34,59.82) ; v1(302.07,101.73) 302.07,95.12 302.49,94.7 D256.1 ; v1(59.25,41.02) 59.25,39.56 D315.1 ; v1(101.66,59.82) 101.66,57.53 102.59,56.6 D288.1 ; v1(326.1,38.73) 325.12,38.73 D304.1 ; v1(266,59.82) 266,57.53 266.93,56.6 D296.1 ; D243.1 30.08,94.7 29.53,95.25 v1(29.53,97.87) ; D316.1 39.86,38.65 v1(41.21,40) ; v1(177.99,78.74) 177.99,77.47 177.4,76.88 D275.1 ; 241.77,147.09 240.62,147.09 v1(240.6,147.07) ; D319.1 61.95,18.5 61.53,18.92 61.53,20.95 v1(62.55,21.97) ; D260.1 383.14,94.7 382.84,95 v1(382.84,101.73) ; D281.1 63.1,76.88 63.69,77.47 v1(63.69,78.74) ; 89.37,147.09 88.35,147.09 v1(88.33,147.07) ; v1(263.84,125.09) 263.12,124.38 ; D292.1 178.79,56.6 177.99,57.4 v1(177.99,59.82) ; v1(339.92,21.97) 339.92,18.67 340.08,18.5 D327.1 ; v1(401.64,101.73) 401.64,95.25 402.19,94.7 D261.1 ; v1(106.54,97.87) 106.54,94.82 106.66,94.7 D247.1 ; v1(259.78,147.07) 259.8,147.09 260.82,147.09 ; 108.42,147.09 107.27,147.09 v1(107.25,147.07) ; v1(306.51,78.74) 306.51,77.39 305.99,76.87 D269.1 ; D303.1 367.9,38.65 369,39.75 v1(369,40.77) ; v1(48.98,97.87) 48.96,97.84 48.96,95 49.25,94.7 D244.1 ; v1(277.94,78.74) 277.94,77.34 277.41,76.82 D270.1 ; v1(406.72,124.59) 406.51,124.38 405.92,124.38 ; 244.07,124.38 v1(244.79,125.09)
  Bottom w0.25: 327.87,52.87 327.87,52.95 328.82,53.91 R1.1 ; D263.1 425.67,67.84 425.67,77.04 v2(424.24,78.46)
  Bottom w0.3: v1(10.48,97.38) 10.48,95.12 10.9,94.7 D242.1 ; D283.1 22.23,78.74 v1(22.29,78.74) ; v1(267.78,41.02) 267.78,40.92 D305.1 ; D201.1 11.22,147.09 v1(10.67,147.64) ; J2.A9 295.34,151.6 294.54,152.4 ; 294.54,152.4 295.56,153.42 298.39,153.42 301.31,150.5 v1(321.58,150.5) v1(340.53,150.5) 344.23,154.2 361,154.2 364.71,150.5 v1(383.4,150.5) v1(402.45,150.5) v1(421.09,150.5) ; 294.54,152.4 291.25,152.4 ; v1(425.89,124.46) 425.06,124.46 425.01,124.41 425.01,124.38 ; v1(29.15,150.5) v1(49.97,150.5) v1(69.28,150.5) v1(88.33,150.5) v1(107.25,150.5) v1(135.7,150.5) v1(154.88,150.5) v1(173.93,150.5) v1(192.98,150.5) v1(221.55,150.5) v1(240.6,150.5) v1(259.78,150.5) v1(278.45,150.5) 281.75,150.5 284.67,153.42 290.23,153.42 291.25,152.4 ; 291.25,152.4 290.44,151.6 J2.A4 ; v1(342.46,21.97) v1(342.46,38.73) v1(342.46,59.69) ; v1(406.72,78.74) 406.72,77.47 D264.1 ; v1(420.43,99.57) 420.43,95.38 421.11,94.7 D262.1 ; v1(16.45,124.46) 15.48,124.46